# Altium PCB power-v3.3-exp.PcbDoc (part 2 of 2)
Units mil, origin at the board's own origin, x right, y up, seen from the top; angles counter-clockwise.
Board outline 6141.73 x 2071.1 mil, 4 copper layers (Top Layer, Layer 1, Layer 2, Bottom Layer), stack 60.469 mil thick; 174 components, 103 nets, 497 pads, 581 vias.
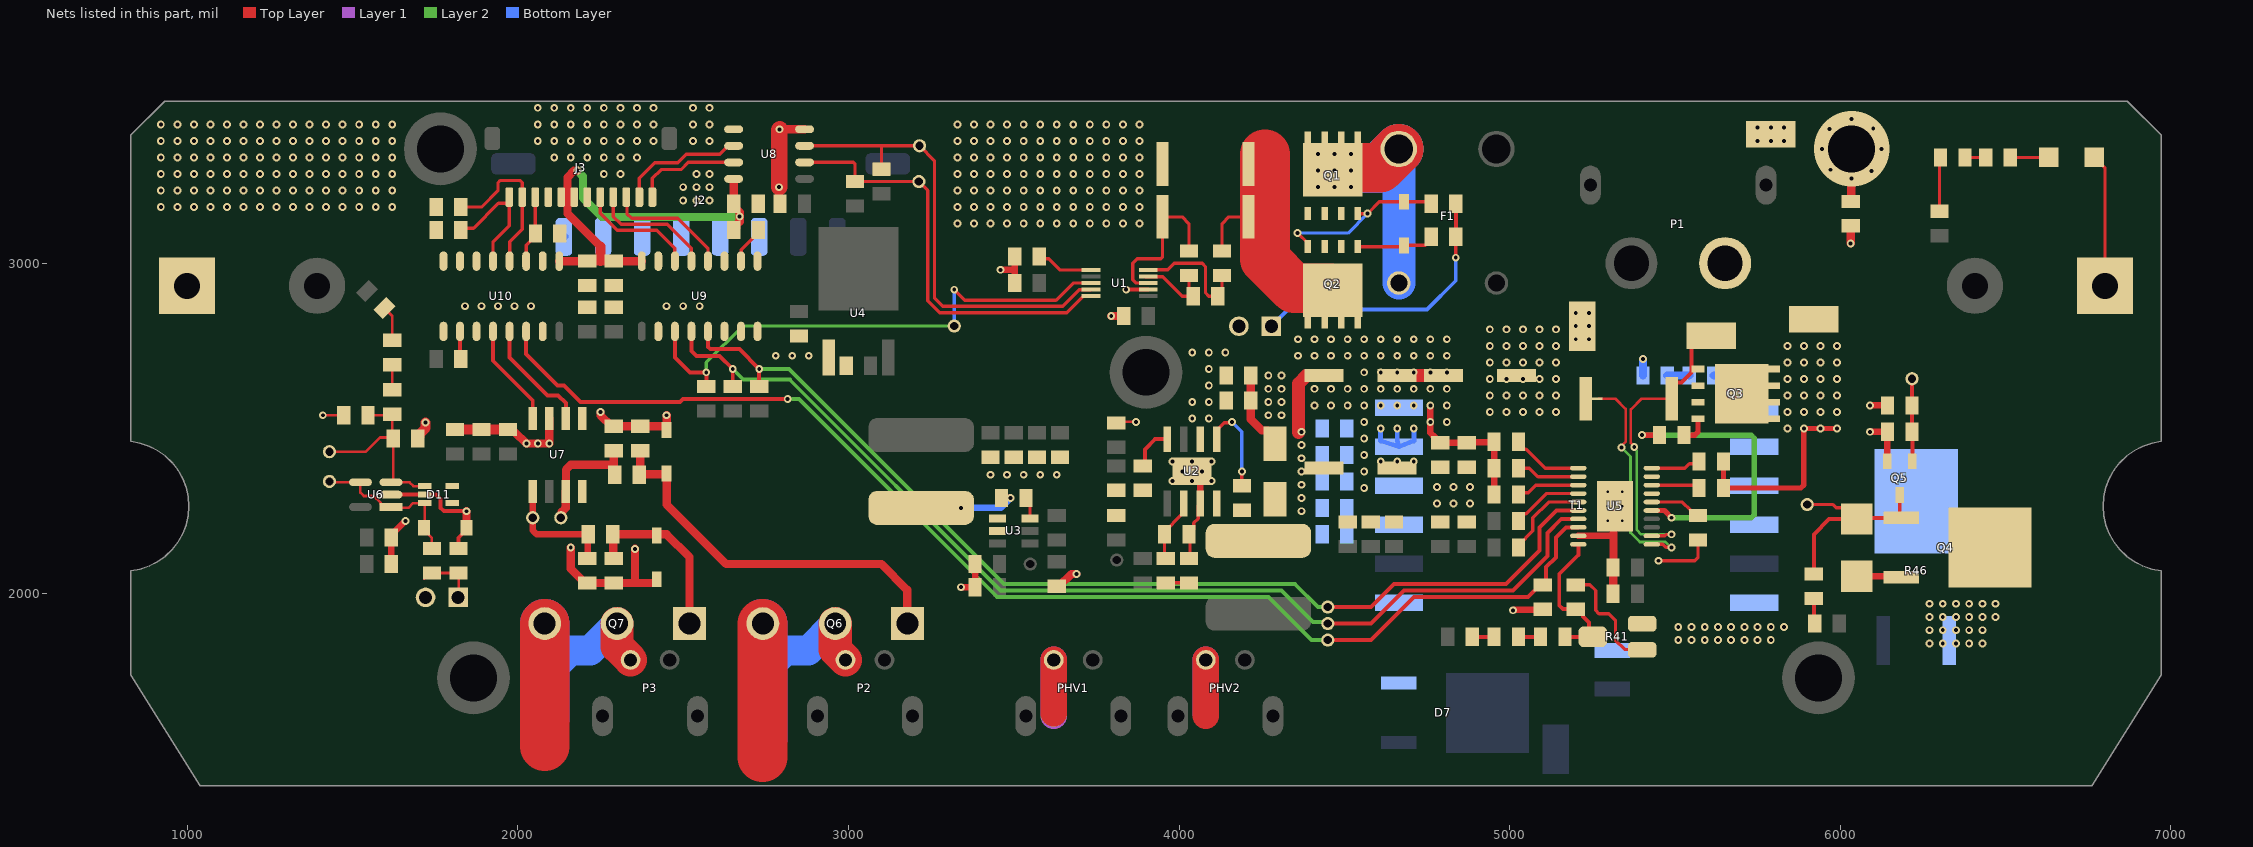
[diagram p4: the nets of this part, all layers, seen from the top]

## Via types
v1: diameter 23.62, hole 11.81, Top Layer to Bottom Layer, tented both sides, 561 vias
v2: diameter 23.62, hole 11.81, Top Layer to Bottom Layer, tented bottom, 8 vias
v3: diameter 19.68, hole 7.87, Top Layer to Bottom Layer, 6 vias
v4: diameter 228.35, hole 141.73, Top Layer to Bottom Layer, 5 vias
v5: diameter 23.62, hole 11.81, Top Layer to Bottom Layer, 1 vias

## Nets (pads, with @x,y where several pads share a name; then routed paths per layer and width w, separated by ;. In a path a pad name is that pad's centre, name@x,y a point inside that pad or via, vN(x,y) a via of type N, cw(c..) or ccw(c..) an arc to the next point about the centre after c; other vN are vias at no path point) (continued)
A1_SEL: R11.1 U1.1 | length 173.2
  Top Layer w10: R11.1@3577,3020 3583.14,3013.86 3606.14,3013.86 3640.63,2979.37 U1.1@3733.39,2979.37
CH_GND: pad.@6034.27,3345.85 R3.2 | length 70.5
  Top Layer w25: R3.2@6031.61,3187.04 6032.94,3188.37 6032.94,3255.56 6033.23,3255.85 v1(6034.27,3255.85)
  other v1: 6094.69,3279.24 5970.04,3282.72 5944.27,3345.85 6124.27,3345.85 5967.97,3406.53 6099.96,3407.17 6034.27,3435.85
  other v4: 6034.27,3345.85
CHARGE: CHRG.1 R37.2 U5.8 U10.14 | length 3821.6
  Top Layer w12: U10.14@2025,2793.7 2025,2725 2120,2630 2140,2630 2190,2580 2490,2580 2499.69,2589.69 v1(2816.09,2589.69) ; CHRG.1@4450,1860 4580,1860 4710,1990 5055.5,1990 5095.5,2030 5097,2030 R37.2@5100,2027 5110,2037 5110,2080.41 5140,2110.41 5140,2170 5170.53,2200.53 5207.22,2200.53 U5.8@5207.56,2200.87
  Layer 2 w12: v1(2816.09,2589.69) 2850.31,2589.69 3450,1990 4270,1990 4400,1860 CHRG.1@4450,1860
CHARGE_OB: J3.10 R64.1 U10.3 | length 197.9
  Top Layer w10: U10.3@2025,3006.3 2025,3055 R64.1@2040,3070 ; R64.1@2038,3078 2052.52,3092.52 J3.10@2052.52,3200
CHIP: U7.2 U10.13 | length 352.5
  Top Layer w12: U10.13@1975,2793.7 1975,2715 2090,2600 2121.72,2600 2145,2576.72 U7.2@2145,2530.24
CHIP_GATE: CHIP_G.1 R54.2 R55.1 U7.7 | length 376.7
  Top Layer w25: CHIP_G.1@2130,2230 2132.87,2232.87 2132.87,2247.87 2144.74,2259.74 2144.74,2309.51 2145.3,2310.06 2145.3,2375.36 2159.94,2390 2290,2390 ; R55.1@2290,2433 2290,2390 ; R54.2@2293,2360 2290,2363 2290,2390
CHIP_OB: J3.11 R63.1 U10.4 | length 489.5
  Top Layer w10: R63.1@1827,3170 1890,3170 1940,3220 1940,3244.14 1945.86,3250 2007.29,3250 2013.15,3244.14 J3.11@2013.15,3200 2013.15,3103.15 1975,3065 U10.4@1975,3006.3
DONE: _DONE.1 R35.1 U5.7 U9.4 | length 3308.1
  Top Layer w12: U9.4@2525,2793.7 2525,2735 2540,2720 2610,2720 v1(2650,2680) R35.1@2650,2627 ; _DONE.1@4450,1910 4580,1910 4680,2010 5010,2010 5114.14,2114.14 5114.14,2184.14 5156.12,2226.12 5207.22,2226.12 U5.7@5207.56,2226.46
  Layer 2 w12: v1(2650,2680) 2682.45,2647.55 2822.45,2647.55 3460,2010 4310,2010 4405.13,1914.87 4445.13,1914.87 _DONE.1@4450,1910
DONE_OB: J3.4 U9.13 | length 373.6
  Top Layer w10: J3.4@2288.74,3200 2288.74,3141.26 2312,3118 2452,3118 2525,3045 U9.13@2525,3006.3
FAULT: _FAULT.1 R36.1 U5.6 U9.5 | length 3221.4
  Top Layer w12: U9.5@2575,2793.7 2575,2747.03 2582.03,2740 2670,2740 v1(2730,2680) ; R36.1@2730,2627 v1(2730,2680) ; v1@2731.31,2678.69 v1(2730,2680) ; _FAULT.1@4450,1960 4580,1960 4650,2030 4988.74,2030 5090,2131.26 5090,2200 5141.71,2251.71 5207.22,2251.71 U5.6@5207.56,2252.05
  Layer 2 w12: v1(2730,2680) 2820,2680 3470,2030 4350,2030 4420.13,1959.87 _FAULT.1@4450,1959.87
FAULT_OB: J3.3 U9.12 | length 378
  Top Layer w10: J3.3@2328.11,3200 2330,3198.11 2330,3150 2344,3136 2484,3136 2575,3045 U9.12@2575,3006.3
FB: C37.1 R39.1 R41.2 U5.10 | length 465.5
  Top Layer w12: R39.1@5167,1870 R41.2@5250,1870 ; U5.10@5193.1,2148.86 5207.56,2148.86 5207.56,2117.56 5150,2060 5150,1965.18 5161.53,1953.65 C37.1@5196.35,1953.65 ; C37.1@5200,1953 5207.5,1953 5221.5,1939 5221.5,1931.5 5240,1913 5240,1880 R41.2@5250,1870 ; R41.2@5251.26,1870 R41.2@5250,1870
GND: C2.1 C4.1 C5.1 C6.2 C7.2 C8.2 C9.2 C10.2 C11.1 C13.2 C14.2 C15.2 C16.2 C17.2 C18.2 C19.2 C20.2 C21.1 C22.1 C23.1 C24.1 C25.1 C26.1 C27.1 C28.NEG C29.NEG C30.NEG C31.NEG C32.NEG C33.1 C34.1 C36.2 C37.2 C38.2 C39.2 C40.1 C41.2 C42.1 C43.1 C44.2 C45.2 C46.1 C47.1 C48.2 C49.2 C50.2 C54.2 D2.A D8.2 D9.A D10.2 D11.2 D13.A D15.A FB_CSN.1 J1.2 J2.6 J2.7 J2.8 NT1.2 P1.1 PHV1.1 PHV2.1 Q4.3 Q5.S Q6.3 Q7.3 R3.1 R11.2 R12.2 R16.2 R17.1 R19.1 R37.1 R41.3 R42.1 R43.1 R49.1 R53.2 R55.2 R57.2 T1.12 TP1.1 U1.7 U2.7 U2.9 U2.V1 U2.V2 U2.V3 U2.V4 U2.V5 U2.V6 U3.1 U4.1 U5.9 U5.21 U6.2 U7.3 U8.4 U9.2 U9.8 U10.9 U10.15 | length 7312
  Top Layer w8: v1(1410,2540) R53.2@1473,2540 ; R42.1@5230.16,2590 NT1.2@5240,2590
  Top Layer w10: C11.1@4033,2107 4033,2177 C5.1@4030,2180 4044.36,2194.36 4044.36,2214.36 4057.64,2227.64 4057.64,2266.62 U2.7@4064.06,2273.03 ; C37.2@5200.96,2027.96 C37.2@5200,2027 5243,2027 5260,2010 5260,1950 5270,1940 5300,1940 5320,1920 5320,1860 5348.42,1831.58 5399.91,1831.58 R41.3@5400.87,1830.63 ; v1(5450,2100) 5560,2100 5570,2110 R43.1@5570,2163 5577.5,2163 R43.1@5592.5,2148 ; D8.2@6768.9,3320 6801,3287.9 C28.NEG@6801,2931.67
  Top Layer w12: U6.2@1616.27,2300 D11.2@1718.66,2300 1752.97,2300 1766.67,2286.3 1766.67,2259.75 1776.42,2250 v1@1844.37,2250 ; C54.2@1820,2137 1820,2169.53 1844.37,2193.9 D10.2@1844.37,2200 ; v1(3840,2920) 3840.32,2920.32 U1.7@3906.61,2920.32
  Top Layer w15: v1(5750,3370) 5770,3370 TP1.1@5790,3390 ; v1(5750,3410) 5770,3390 TP1.1@5790,3390 ; v1(5790,3370) TP1.1@5790,3390 ; v1(5790,3410) TP1.1@5790,3390 ; v1(5830,3370) 5810,3390 TP1.1@5790,3390 ; v1(5830,3410) 5810,3410 TP1.1@5790,3390
  Top Layer w20: C40.1@1617,2090 C41.2@1617,2170 1617,2177.5 1659.5,2220 v1(1660,2220) ; v1(3340,2020) C14.2@3383,2020 C13.2@3383,2090 ; v1(3460,2980) 3503,2980 ; R12.2@3503,2940 3503,2980 ; R11.2@3503,3020 3503,2980 ; U2.9@4039.06,2370.47 4064.06,2345.47 U2.7@4064.06,2273.03 ; v1(5010,1950) 5010.98,1950 5013.35,1952.37 5099.37,1952.37 R37.1@5100,1953 ; U5.9@5207.56,2175.28 5308.28,2175.28 5313,2180 ; U5.21@5274.84,2199.25 v3(5297.13,2221.54) ; D9.A@6050,2053.39 6181.61,2053.39 Q4.3@6185,2050 ; v1(6090,2490) R49.1@6143,2490 6142.71,2489.71 6142.71,2401.29 Q5.S@6142.6,2401.18 ; Q5.S@6139.8,2401.38 Q5.S@6140,2401.58
  Top Layer w25: D10.2@1844.37,2200 1844.45,2200.08 v1(1844.45,2249.72) ; C43.1@1970,2497 1977.5,2489.5 1990.5,2489.5 v1(2025.69,2454.31) v1(2060.39,2454.31) v1(2095.08,2454.31) 2095,2454.39 U7.3@2095,2530.24 ; v1(2160,2140) 2160,2075.5 2202.5,2033 R57.2@2210,2033 C47.1@2290,2033 2290.5,2032.5 2354,2032.5 ; v1(2250,2550) 2250,2539.5 2282.5,2507 R55.2@2290,2507 C46.1@2370,2507 2447.5,2507 D13.A@2450,2504.5 ; v1(2354,2136) 2354,2032.5 ; D15.A@2420,2044 2420,2035 2417.5,2032.5 2354,2032.5 ; D13.A@2450,2496 D13.A@2450,2504.5 ; v1(2450,2540) D13.A@2450,2504.5 ; v1(2790,3230) 2790,3183 C48.2@2793,3180 ; v1(2791.52,3405) U8.4@2867.28,3405 ; U4.1@2940,2715 U4.1@2946.79,2708.21 ; R19.1@3630,2023 3637.5,2023 3674.5,2060 v1(3690,2060) ; v1(3794.94,2840) C2.1@3833,2840 ; C4.1@3890,2313 C4.1@3892,2315 ; C6.2@4217,2660 C7.2@4217,2585.12 4217,2527.65 4250.33,2494.31 4268.05,2494.31 4290,2472.36 D2.A@4290,2454.65 D2.A@4307.65,2437 ; C38.2@5313,2000 C39.2@5313,2080 5313.83,2080.83 5313.83,2184.72 ; v1(6031.61,3060.04) R3.1@6031.61,3113.04
  Top Layer w30: C42.1@1697,2470 1702,2475 1702,2482.5 1720.4,2500.9 v1(1720.4,2518.1) ; C44.2@1810,2497 C45.2@1890,2497 C43.1@1970,2497
  Top Layer w35: C30.NEG@4384.78,2659.59 C30.NEG@4438.54,2659.59
  Top Layer w40: v1@4361.35,2488.66 4361.35,2636.15 C30.NEG@4384.78,2659.59
  Top Layer w50: v1(2790,3230) 2790,3403.48 v1(2791.52,3405)
  Top Layer w80: 3620.94,1639.06 PHV1.1@3620.94,1800.08 ; 4080.94,1630.94 PHV2.1@4080.94,1800.08
  Top Layer w150: 2081.1,1538.9 Q7.3@2081.1,1910 ; 2740,1505.71 Q6.3@2740,1910
  Layer 1 w80: 3620.94,1630.94 PHV1.1@3620.94,1800.08 ; 4080.94,1639.06 PHV2.1@4080.94,1800.08
  Layer 1 w150: 2081.1,1621.1 Q7.3@2081.1,1910 ; 2741.1,1560 Q6.3@2741.1,1910
  Bottom Layer w25: J2.8@2139.45,3080 J2.8@2140,3080.55
  other v1: 5510,1860 5550,1860 5590,1860 5630,1860 5670,1860 5710,1860 5750,1860 5790,1860 5510,1900 5550,1900 5590,1900 5630,1900 5670,1900 5710,1900 5750,1900 5790,1900 5830,1900 4370,2250 4779.83,2272.75 4829.83,2272.75 4879.83,2272.75 4370,2290 4779.83,2322.75 4829.83,2322.75 4879.83,2322.75 4370,2330 3430,2360 3480,2360 3530,2360 3580,2360 3630,2360 4370,2370 4370,2410 4370,2450 4370,2490 4270,2540 4310,2540 4940,2550 4990,2550 5040,2550 5090,2550 5140,2550 4270,2580 4310,2580 4940,2600 4990,2600 5040,2600 5090,2600 5140,2600 4270,2620 4310,2620 4940,2650 4990,2650 5040,2650 5090,2650 5140,2650 4270,2660 4310,2660 4940,2700 4990,2700 5040,2700 5090,2700 5140,2700 2780,2720 2830,2720 2880,2720 4940,2750 4990,2750 5040,2750 5090,2750 5140,2750 5200,2770 5240,2770 4940,2800 4990,2800 5040,2800 5090,2800 5140,2800 5200,2810 5240,2810 5200,2850 5240,2850 1840,2870 1890,2870 1940,2870 1990,2870 2040,2870 2450,2870 2500,2870 2550,2870 920,3170 970,3170 1020,3170 1070,3170 1120,3170 1170,3170 1220,3170 1270,3170 1320,3170 1370,3170 1420,3170 1470,3170 1520,3170 1570,3170 1620,3170 920,3220 970,3220 1020,3220 1070,3220 1120,3220 1170,3220 1220,3220 1270,3220 1320,3220 1370,3220 1420,3220 1470,3220 1520,3220 1570,3220 1620,3220 920,3270 970,3270 1020,3270 1070,3270 1120,3270 1170,3270 1220,3270 1270,3270 1320,3270 1370,3270 1420,3270 1470,3270 1520,3270 1570,3270 1620,3270 2260,3270 2310,3270 920,3320 970,3320 1020,3320 1070,3320 1120,3320 1170,3320 1220,3320 1270,3320 1320,3320 1370,3320 1420,3320 1470,3320 1520,3320 1570,3320 1620,3320 2110,3320 2160,3320 2210,3320 2260,3320 2310,3320 920,3370 970,3370 1020,3370 1070,3370 1120,3370 1170,3370 1220,3370 1270,3370 1320,3370 1370,3370 1420,3370 1470,3370 1520,3370 1570,3370 1620,3370 2060,3370 2110,3370 2160,3370 2210,3370 2260,3370 2310,3370 920,3420 970,3420 1020,3420 1070,3420 1120,3420 1170,3420 1220,3420 1270,3420 1320,3420 1370,3420 1420,3420 1470,3420 1520,3420 1570,3420 1620,3420 2060,3420 2110,3420 2160,3420 2210,3420 2260,3420 2310,3420 2060,3470 2110,3470 2160,3470 2210,3470 2260,3470 2310,3470 2360,3470 2410,3470
  other v2: 3980,2340.94 4039.06,2340.94 4098.11,2340.94 4010,2370 4070,2370 3980,2400 4039.06,2400 4098.11,2400
  other v3: 5340.43,2221.54 5297.13,2264.84 5340.43,2264.84 5297.13,2308.15 5340.43,2308.15
GND_CN: C51.2 C52.2 C53.2 J3.6 J3.9 R62.2 R63.2 R64.2 U8.5 U9.9 U9.15 U10.2 U10.8
  other v1: 2360,3320 2360,3370 2410,3370 2360,3420 2410,3420
HV-SENSE: D10.1 D11.3 HVM_OUT.1 R60.2 U6.1 U6.4 | length 507.3
  Top Layer w8: HVM_OUT.1@1430,2340 1432.6,2337.4 U6.4@1523.73,2337.4 1523.73,2306.27 1534.05,2295.95 1563.81,2295.95 1585.71,2274.06 1585.71,2270.6 1593.72,2262.6 U6.1@1616.27,2262.6 1618.87,2260 1669.07,2260 1683.48,2274.41 D11.3@1718.66,2274.41 1718.66,2190.87 1729.54,2179.98 1740,2169.53 R60.2@1740,2137 R60.2@1740,2124
HV_GATE: R61.2 U5.15 | length 951.2
  Top Layer w16: v1(5400,2480) R61.2@5453,2480 ; U5.15@5430,2252.05 5467.95,2252.05 v1(5490,2230)
  Layer 2 w16: v1(5400,2480) 5730.63,2480 5740,2470.63 5740,2239.37 5730.63,2230 v1(5490,2230)
HV_SENSE_OB: C54.1 J4.1 R60.1 | length 162.6
  Top Layer w8: R60.1@1716.5,2046.5 1716.5,2047 R60.1@1722.5,2053 ; R60.1@1740,2063 C54.1@1820,2063 ; J4.1@1819.21,1969.33 1820.79,1970.91 1820.79,2042.33
KICK: U7.4 U10.12 | length 313.2
  Top Layer w12: U10.12@1925,2793.7 1925,2705 2045,2585 U7.4@2045,2530.24
KICK_GATE: KICK_G.1 R56.2 R57.1 U7.5 | length 365.1
  Top Layer w20: U7.5@2045,2309.76 2045,2191.72 2056.72,2180 R56.2@2213,2180 2211.5,2178.5 2211.5,2108.5 R57.1@2210,2107
KICK_OB: J3.12 R62.1 U10.5 | length 397.2
  Top Layer w10: R62.1@1827,3100 1832.86,3105.86 1865.86,3105.86 1941.38,3181.38 1967.04,3181.38 J3.12@1973.78,3188.12 ; U10.5@1925,3006.3 1925,3065 1973.78,3113.78 J3.12@1973.78,3188.12 ; J3.12@1973.78,3200 J3.12@1973.78,3188.12
LT_CSN: NT1.1 U5.11 | length 691.3
  Top Layer w8: NT1.1@5270,2590 5320,2590 5350.68,2559.32 5350.68,2459.55 5338.27,2447.14 v1(5338.27,2442.92)
  Top Layer w10: U5.11@5430,2149.68 5463.57,2149.68 5472.67,2140.59 5489.41,2140.59 v1(5490,2140)
  Layer 2 w8: v1(5338.27,2442.92) 5365.72,2415.46 5365.72,2184.76 5393.91,2156.57 5470.93,2156.57 5487.5,2140 v1(5490,2140)
LT_CSP: FB_CSP.1 Q3.S R42.2 U5.12 | length 946.2
  Top Layer w8: v1(5376.99,2443.61) 5376.99,2445.8 5366.68,2456.11 5366.68,2557.66 5399.03,2590 R42.2@5490,2590
  Top Layer w10: U5.12@5430,2175.28 5468.88,2175.28 5472.84,2179.24 5489.24,2179.24 v1(5490,2180)
  Top Layer w12: R42.2@5490,2590 5490,2626.97 5502.7,2639.67 5519.67,2639.67 5550,2670 5550,2746.04 5583.96,2780 FB_CSP.1@5610,2780
  Layer 2 w8: v1(5376.99,2443.61) 5376.99,2439.38 5384.48,2431.9 5384.48,2193.47 5397.95,2180 v1(5490,2180)
NetAD_D_1: AD_D.1 D9.C Q4.1 Q5.D R47.1 | length 673.9
  Top Layer w10: AD_D.1@5890,2270 AD_D.1@5900,2270 5978.12,2270 5988.12,2260 6016.61,2260 D9.C@6050,2226.61 D9.C@6053.39,2230 ; Q5.D@6174.57,2293.39 Q5.D@6180,2298.82 ; Q4.1@6180,2235 Q4.1@6185,2230
  Top Layer w12: R47.1@5920,2048.33 R47.1@5920,2060 5920,2180 5966.61,2226.61 D9.C@6050,2226.61 ; D9.C@6053.39,2230 Q4.1@6185,2230 ; Q4.1@6180,2235 Q5.D@6180,2298.82
NetAD_VCC_1: AD_VCC.1 Q5.G R48.1 R49.2 | length 253
  Top Layer w10: AD_VCC.1@6210,2650 AD_VCC.1@6217.71,2642.29 ; Q5.G@6217.4,2401.18 Q5.G@6217.99,2401.77 ; R49.2@6217.71,2490.71 R49.2@6217,2490 R49.2@6217.99,2489.01
  Top Layer w12: R49.2@6217.71,2490.71 6217.71,2570 AD_VCC.1@6217.71,2642.29 ; Q5.G@6217.99,2401.77 R49.2@6217.99,2489.01
NetC1_1: C1.1 R10.1 U1.10 | length 385.6
  Top Layer w10: U1.10@3896.32,2980 3965.86,2980 3985.86,3000 4070,3000 4080,2990 4080,2910 4090,2900 C1.1@4117,2900 4130,2913 R10.1@4130,2963
NetC1_2: C1.2 R6.1 U1.9 | length 240.2
  Top Layer w10: U1.9@3896.07,2960 3897.17,2958.91 3951.09,2958.91 4010,2900 C1.2@4043,2900 4030,2913 R6.1@4030,2963
NetC3_1: C3.1 U2.1 | length 288.7
  Top Layer w10: U2.1@4114.06,2467.91 4114.06,2494.88 4136.57,2517.39 4157.39,2517.39 v1(4160,2520) ; C3.1@4190,2327 v1(4190,2370)
  Bottom Layer w10: v1(4160,2520) 4190,2490 v1(4190,2370)
NetC3_2: C3.2 D2.C L1.1 U2.8
NetC4_2: C4.2 U2.4 | length 132.8
  Top Layer w12: C4.2@3890,2387 3897,2394 3897,2437 3927.91,2467.91 U2.4@3964.06,2467.91
NetC5_2: C5.2 R15.1 U2.6 | length 191.7
  Top Layer w10: R15.1@3960,2107 3956,2111 3956,2187.5 4007.24,2238.74 4007.24,2266.22 U2.6@4014.06,2273.03
NetC11_2: C11.2 R15.2 | length 80
  Top Layer w10: R15.2@3950,2033 C11.2@4030,2033
NetC12_1: C12.1 U3.6 | length 67.7
  Top Layer w10: C12.1@3537,2290 3549.41,2277.59 U3.6@3549.41,2227.4
NetC12_2: C12.2 L2.1 U3.2 | length 189.4
  Top Layer w20: C12.2@3463,2290 v1(3490,2290)
  Bottom Layer w20: v1(3340,2260) 3460,2260 v1(3490,2290)
NetC35_1: C35.1 R34.1 | length 66
  Bottom Layer w25: C35.1@5477,2660 R34.1@5543,2660
NetC42_2: C42.2 D11.1 HVM_RAW.1 R52.1 R53.1 U6.3 | length 596.2
  Top Layer w8: HVM_RAW.1@1430,2430 1540,2430 1583,2473 C42.2@1620,2473 ; R53.1@1547,2540 1617,2540 R52.1@1620,2543 C42.2@1620,2473 ; U6.3@1616.27,2337.4 1672.6,2337.4 1684.41,2325.59 D11.1@1718.66,2325.59 ; U6.3@1623,2337.4 C42.2@1623,2470 C42.2@1620,2473
NetC46_2: C46.2 D13.C Q6.1 R54.1 | length 1166.3
  Top Layer w25: R54.1@2367,2360 R54.1@2370,2363 ; C46.2@2370,2433 R54.1@2370,2363 ; Q6.1@3177.8,1930 3177.8,2012.2 3100,2090 2630,2090 2450,2270 D13.C@2450,2364 2448,2362 2371,2362 R54.1@2370,2363
NetC47_2: C47.2 D15.C Q7.1 R56.1 | length 518.3
  Top Layer w25: C47.2@2290,2107 2288.5,2108.5 2288.5,2178.5 R56.1@2287,2180 2417.5,2180 2420,2177.5 D15.C@2420,2176 ; D15.C@2420,2180 2450,2180 2518.9,2111.1 Q7.1@2518.9,1930
NetD1_A: D1.A Q1.G Q2.G R1.1 | length 530.5
  Top Layer w10: v1(4358.52,3091.32) 4390,3059.84 Q2.G@4390,3050 ; Q1.G@4540,3150 4570,3150 4606,3186 D1.A@4680,3186 4757,3186 R1.1@4763,3180
  Bottom Layer w10: v1(4358.52,3091.32) 4511.23,3091.32 v1(4569.91,3150)
NetD1_C: D1.C Q1.S Q2.S R2.1 | length 239.8
  Top Layer w10: Q2.S@4540,3050 4676,3050 D1.C@4680,3054 4744.5,3054 4763,3072.5 R2.1@4763,3080
NetD3_1: 
NetD4_1: 
NetD5_1: 
NetD6_1: 
NetD7_IN: D7.3 T1.1
NetD8_1: D8.1 R32.1 | length 117.1
  Top Layer w10: R32.1@6514,3320 D8.1@6631.1,3320
NetD11_4: D11.4
NetD11_5: D11.5
NetD12_A: D12.A P2.2 Q6.2 | length 694.7
  Top Layer w100: Q6.2@2960,1910 2960,1831.02 P2.2@2990.94,1800.08
  Layer 1 w60: Q6.2@2958.9,1930 2958.9,1832.13 P2.2@2990.94,1800.08
  Layer 2 w60: Q6.2@2958.9,1930 2958.9,1832.13 P2.2@2990.94,1800.08
  Bottom Layer w90: D12.A@2740,1756.61 2742.24,1758.86 2742.24,1762.35 2808.56,1828.67 2878.67,1828.67 Q6.2@2960,1910
NetD14_A: D14.A P3.2 Q7.2 | length 695.2
  Top Layer w100: Q7.2@2300,1910 2300,1841.02 P3.2@2340.94,1800.08
  Layer 1 w60: Q7.2@2300,1930 2300,1841.02 P3.2@2340.94,1800.08
  Layer 2 w60: Q7.2@2300,1930 2300,1840 2339.92,1800.08 P3.2@2340.94,1800.08
  Bottom Layer w90: D14.A@2091.12,1757.74 2092.24,1758.86 2092.24,1762.35 2158.56,1828.67 2218.67,1828.67 Q7.2@2300,1910
NetF1_1: F1.1 F1.2 Q1.D | length 869.2
  Top Layer w150: Q1.D@4465,3282.28 4471.1,3288.39 4607.6,3288.39 F1.1@4664.72,3345.51
  Bottom Layer w100: F1.2@4664.72,2940 4664.72,3290 F1.1@4664.72,3345.51
  Bottom Layer w150: 4451.04,3287.45 4606.66,3287.45 F1.1@4664.72,3345.51
  other v1: 4420,3230 4470,3230 4520,3230 4420,3280 4470,3280 4520,3280 4420,3330 4470,3330 4520,3330
NetFB_D_1: FB_D.1 Q3.D R34.2 R38.1 R40.1 T1.7 T1.8 T1.9 T1.10 | length 808.7
  Top Layer w16: R38.1@5647,2400 R40.1@5647,2320 5880.63,2320 5890,2329.37 v1(5890,2500) v1(5990,2500)
  Bottom Layer w25: R34.2@5617,2660 5725.36,2660 5740,2645.36 5740,2563.35 T1.7@5739.92,2563.28
  other v1: 5840,2500 5940,2500 5840,2550 5890,2550 5940,2550 5990,2550 5840,2600 5890,2600 5940,2600 5990,2600 5840,2650 5890,2650 5940,2650 5990,2650 5840,2700 5890,2700 5940,2700 5990,2700 5840,2750 5890,2750 5940,2750 5990,2750
NetJ1_1: J1.1 R1.2 R2.2 | length 848.2
  Top Layer w12: v5(4836.99,3016.71) R2.2@4837,3080 R1.2@4837,3180
  Layer 2 w12: v5@4836.7,3017 v5(4836.99,3016.71)
  Bottom Layer w12: J1.1@4279.21,2809.33 4329.88,2860 4750,2860 4836.99,2946.99 v5(4836.99,3016.71)
NetJ4_2: J4.2
NetQ3_G: Q3.G R61.1 | length 87.1
  Top Layer w16: R61.1@5527,2480 5560,2480 5570,2490 Q3.G@5570,2530
NetQ4_D: Q4.2 R46.1
  other v1: 6270,1850 6310,1850 6350,1850 6390,1850 6430,1850 6270,1890 6310,1890 6350,1890 6390,1890 6430,1890 6270,1930 6310,1930 6350,1930 6390,1930 6430,1930 6470,1930 6270,1970 6310,1970 6350,1970 6390,1970 6430,1970 6470,1970
NetR28_1: R28.1 R30.2 | length 164.2
  Top Layer w10: R28.1@6300,3157 6300,3317 R30.2@6303,3320
NetR29_1: R29.1 R31.2 | length 66
  Top Layer w12: R29.1@4887,1870 R31.2@4953,1870
NetR30_1: R30.1 R32.2 | length 63
  Top Layer w10: R30.1@6377,3320 R32.2@6440,3320
NetR31_1: R31.1 R39.2 | length 66
  Top Layer w12: R31.1@5017,1870 R39.2@5083,1870
NetR41_1: R41.1
NetR45_1: R45.1 R47.2 | length 90.1
  Top Layer w10: R47.2@5910,1976 R47.2@5920,1986
  Top Layer w12: R45.1@5920,1910 R47.2@5920,1986
NetR46_3: R46.3
NetR50_1: R50.1 R51.2 | length 106.7
  Top Layer w8: R50.1@1596.16,2863.84 1620,2840 R51.2@1620,2767
NetR51_1: R51.1 R52.2 | length 76
  Top Layer w8: R52.2@1620,2617 R51.1@1620,2693
NetR58_2: R58.2 U9.10 | length 115.2
  Top Layer w10: U9.10@2675,3006.3 2675.72,3007.02 2675.72,3041.22 2712,3077.5 2727,3092.5 R58.2@2727,3100
NetR59_1: R59.1 U10.10 | length 84.5
  Top Layer w12: U10.10@1825,2793.7 1825,2712 R59.1@1827,2710
NetR64_2: 
NetU5_17: U5.17
NetU5_19: U5.19
NetU7_1: U7.1
NetU7_8: U7.8
NetU9_6: U9.6
NetU9_7: U9.7
NetU9_11: U9.11
NetU10_6: U10.6
NetU10_7: U10.7
NetU10_11: U10.11
OVLO1: R27.1 U5.3 | length 192.5
  Top Layer w10: R27.1@5027,2300 5033.14,2306.14 5056.14,2306.14 5078.82,2328.82 U5.3@5207.56,2328.82
OVLO2: R25.1 U5.5 | length 265.1
  Top Layer w10: R25.1@5027,2140 5027,2147.5 5070,2190.5 5070,2230 5117.64,2277.64 U5.5@5207.56,2277.64
PMS_ALERT: PMS_ALRT.1 R7.2 U1.3 U9.3 | length 1619.1
  Top Layer w10: v1(3320,2920) 3352,2888 3628,2888 3680,2940 U1.3@3733.39,2940
  Top Layer w12: U9.3@2475,2793.7 2475,2715 2520.09,2669.91 v1(2569.91,2669.91) 2569.91,2627.09 R7.2@2570,2627
  Layer 2 w10: v1(2569.91,2669.91) 2569.91,2699.91 2680,2810 PMS_ALRT.1@3320,2810
  Bottom Layer w10: PMS_ALRT.1@3320,2810 v1(3320,2920)
PMS_ALERT_OB: J3.5 U9.14 | length 357.5
  Top Layer w10: J3.5@2249.37,3200 2249.37,3150.63 2300,3100 2420,3100 2475,3045 U9.14@2475,3006.3
PMS_SCL: PMS_SCL.1 R4.2 U1.5 U8.2 | length 1301.8
  Top Layer w10: U8.2@2867.28,3305 3014.14,3305 3020,3299.14 R4.2@3020,3247 3185.38,3247 PMS_SCL.1@3213,3247 3240,3220 3240,2885.86 3275.86,2850 3660,2850 3709.72,2899.72 3732.48,2899.72 U1.5@3733.39,2900.63
PMS_SCL_OB: J3.1 U8.7 | length 322.7
  Top Layer w10: J3.1@2406.85,3200 2406.85,3256.85 2433.43,3283.43 2493.43,3283.43 2515,3305 U8.7@2652.72,3305
PMS_SDA: PMS_SDA.1 R5.2 U1.4 U8.3 | length 1403.6
  Top Layer w10: U8.3@2867.28,3355 3095,3355 ; R5.2@3100,3284 3100,3350 3095,3355 ; U1.4@3733.39,2920.32 3733.02,2919.95 3698.09,2919.95 3648.15,2870 3285.64,2870 3260,2895.64 3260,3310 PMS_SDA.1@3215,3355 3185.38,3355 3100,3355 3095,3355
PMS_SDA_OB: J3.2 U8.6 | length 383.1
  Top Layer w10: J3.2@2367.48,3200 2367.48,3257.48 2413.74,3303.74 2483.74,3303.74 2509.37,3329.37 2610.35,3329.37 2635.98,3355 U8.6@2652.72,3355
RBG: R43.2 U5.16 | length 160.1
  Top Layer w10: U5.16@5430,2277.64 5522.36,2277.64 5547.5,2252.5 5547.5,2252 5562.5,2237 R43.2@5573,2237
RDCM: R38.2 U5.20 | length 151.3
  Top Layer w10: U5.20@5430,2380 5530,2380 5543.86,2393.86 5566.86,2393.86 R38.2@5573,2400
RVOUT: R40.2 U5.18 | length 146.7
  Top Layer w10: U5.18@5430,2328.82 5564.18,2328.82 R40.2@5573,2320
RVTRANS: R33.2 U5.1 | length 218.1
  Top Layer w10: R33.2@5027,2460 5027,2452.5 5042,2437.5 5049.5,2437.5 5107,2380 U5.1@5207.56,2380
UVLO1: R26.1 U5.2 | length 191.2
  Top Layer w10: R26.1@5027,2380 5060,2380 5085.59,2354.41 U5.2@5207.56,2354.41
UVLO2: R24.1 U5.4 | length 219.4
  Top Layer w10: R24.1@5027,2220 5027,2227.5 5042,2242.5 5049.5,2242.5 5110.23,2303.23 U5.4@5207.56,2303.23
VCC: C6.1 C7.1 C23.2 C24.2 C25.2 C26.2 C27.2 C30.POS C31.POS C32.POS C33.2 C34.2 C35.2 J2.3 J2.4 J2.5 R6.2 R8.1 R9.1 R13.1 R26.2 R27.2 R33.1 R48.2 T1.3 T1.4 T1.5 T1.6 U1.8 U2.2 | length 1535.9
  Top Layer w8: R13.1@3810,2517 3813,2520 v1(3870,2520)
  Top Layer w10: U1.8@3906.61,2940 3870,2940 3860,2950 3860,3000 3873.26,3013.26 3944.22,3013.26 3950.08,3019.12 R8.1@3950.08,3140 4010,3140 4030,3120 R6.2@4030,3037
  Top Layer w15: C31.POS@4656.06,2379.81 C31.POS@4659.53,2379.9 C31.POS@4706.06,2379.81
  Top Layer w20: v1(4760,2570) v1(4760,2520) 4760,2487 4772.5,2474.5 4772.5,2467 4782.5,2457 C33.2@4790,2457 C34.2@4870,2457 4871.5,2458.5 4951.5,2458.5 R33.1@4953,2460 R26.2@4953,2380 R27.2@4953,2300 ; v1(6090,2570) R48.2@6143,2570
  Top Layer w40: C30.POS@4659.63,2660 4760,2660 C32.POS@4800.37,2660
  Bottom Layer w15: v1(4610,2500) 4610,2462.67 T1.5@4664.88,2445.17 ; v1(4660,2500) 4660,2462.67 T1.5@4664.88,2445.17 ; v1(4710,2500) 4710,2462.67 T1.5@4664.88,2445.17
  Bottom Layer w25: C35.2@5403,2660 v1(5403,2709.8)
  other v1: 4560,2320 4560,2370 4610,2400 4660,2400 4710,2400 4560,2420 4560,2470 4560,2520 4810,2520 4040,2530 4090,2530 4410,2570 4460,2570 4510,2570 4560,2570 4610,2570 4660,2570 4710,2570 4810,2570 4040,2580 4090,2580 4410,2620 4460,2620 4510,2620 4560,2620 4610,2620 4660,2620 4710,2620 4760,2620 4810,2620 4090,2630 4560,2670 4610,2670 4660,2670 4710,2670 4760,2670 4810,2670 4090,2680 4360,2720 4410,2720 4460,2720 4510,2720 4560,2720 4610,2720 4660,2720 4710,2720 4760,2720 4810,2720 4040,2730 4090,2730 4140,2730 4360,2770 4410,2770 4460,2770 4510,2770 4560,2770 4610,2770 4660,2770 4710,2770 4760,2770 4810,2770 3330,3120 3380,3120 3430,3120 3480,3120 3530,3120 3580,3120 3630,3120 3680,3120 3730,3120 3780,3120 3830,3120 3880,3120 3330,3170 3380,3170 3430,3170 3480,3170 3530,3170 3580,3170 3630,3170 3680,3170 3730,3170 3780,3170 3830,3170 3880,3170 2500,3190 2540,3190 2580,3190 3330,3220 3380,3220 3430,3220 3480,3220 3530,3220 3580,3220 3630,3220 3680,3220 3730,3220 3780,3220 3830,3220 3880,3220 2500,3230 2540,3230 2580,3230 2540,3270 2580,3270 3330,3270 3380,3270 3430,3270 3480,3270 3530,3270 3580,3270 3630,3270 3680,3270 3730,3270 3780,3270 3830,3270 3880,3270 3330,3320 3380,3320 3430,3320 3480,3320 3530,3320 3580,3320 3630,3320 3680,3320 3730,3320 3780,3320 3830,3320 3880,3320 2530,3370 2580,3370 3330,3370 3380,3370 3430,3370 3480,3370 3530,3370 3580,3370 3630,3370 3680,3370 3730,3370 3780,3370 3830,3370 3880,3370 2530,3420 2580,3420 3330,3420 3380,3420 3430,3420 3480,3420 3530,3420 3580,3420 3630,3420 3680,3420 3730,3420 3780,3420 3830,3420 3880,3420 2530,3470 2580,3470
VCC_CN: C51.1 C52.1 C53.1 J3.7 J3.8 R58.1 U8.8 U9.16 U10.1 | length 1351.8
  Top Layer w25: U10.1@2125,3006.3 2210,3006.3 2250,3006.3 2290,3006.3 U9.16@2375,3006.3 ; v1(2180,3280) 2170,3280 2150,3260 2150,3150 2250,3050 ; U8.8@2652.72,3255 2652.86,3254.86 2652.86,3180.14 C53.1@2653,3180 2653,3172.5 2670.96,3154.54 2670.96,3125.46 2653,3107.5 R58.1@2653,3100 R58.1@2660.5,3107.5
  Top Layer w30: 2250,3006.3 2250,3050
  Layer 2 w25: v1(2180,3280) 2197.32,3262.68 2197.32,3197.32 2254.64,3140 2669.62,3140 v1(2670.96,3141.33)
VCC_RPP: Q2.D R8.2 R9.2 R10.2 | length 724.8
  Top Layer w10: R10.2@4130,3037 4130,3120 4150,3140 R8.2@4209.92,3140
  Top Layer w150: 4260,3330 4260,3011.69 4347.87,2923.82 Q2.D@4458.9,2923.82
pads on no net: D7.1 J2.NC J3.NC P1.Un1 P1.Un2 P2.NC P3.NC PHV1.NC PHV2.NC T1.2 T1.11
copper on no net:
  other v1: 1865.73,1655.85 5934.27,1655.85 1926.14,1679.24 5994.69,1679.24 1801.5,1682.72 5870.04,1682.72 1775.73,1745.85 1955.73,1745.85 5844.27,1745.85 6024.27,1745.85 1799.43,1806.53 1931.42,1807.17 5867.97,1806.53 5999.96,1807.17 1865.73,1835.85 5934.27,1835.85 3900,2580 3960.42,2603.39 3835.77,2606.87 3810,2670 3990,2670 3833.7,2730.67 3965.69,2731.32 3900,2760 1765.73,3255.85 1826.14,3279.24 1701.5,3282.72 1675.73,3345.85 1855.73,3345.85 1699.43,3406.53 1831.42,3407.17 1765.73,3435.85
  other v4: 1865.73,1745.85 5934.27,1745.85 3900,2670 1765.73,3345.85

## Polygon pours and split planes (outlines as drawn)
GND_CN on Top Layer "NONET_L01_P-001" (solid, remove dead copper, pour order 120): 1730,3460 2750,3460 2750,2900 1730,2900
GND on Top Layer "NONET_L01_P-001" (solid, remove dead copper, pour order 127): 3780,2580 4190,2580 4190,2690 4240,2690 4420,2690 4420,2540 4500,2540 4500,2350 4560,2290 4670,2290 4680,2280 4680,2200 3810,2200 3780,2230
GND on Top Layer "NONET_L01_P-001" (solid, pour order 162): 5060,2570 5060,2050 5140,1970 5360,1970 5370,1980 5370,2550 5190,2550 5190,2570
NetFB_D_1 on Top Layer "NONET_L01_P-001" (solid, remove dead copper, pour order 138): 5800,2470 6010,2470 6010,2890 5800,2890 5620,2890 5620,2510 5800,2510
GND on Top Layer "NONET_L01_P-001" (solid, pour order 163): 5480,1920 5480,1440 5870,1440 5870,1920
GND on Top Layer "NONET_L01_P-001" (solid, remove dead copper, pour order 134): 5250,2520 5250,2660 5530,2660 5530,2830 5770,2830 5870,2930 5870,3430 4900,3430 4900,2520
NetQ4_D on Top Layer "NONET_L01_P-001" (solid, remove dead copper, pour order 140): 6580,2260 6580,2010 6540,2010 6540,1820 6250,1820 6250,2020 6250,2260
GND on Top Layer "NONET_L01_P-001" (solid, remove dead copper, pour order 150): 830,3030 1220,3030 1220,1740 6580,1740 6580,3030 6970,3030 6970,1410 830,1410
GND on Top Layer "NONET_L01_P-001" (solid, remove dead copper, pour order 147): 1730,2900 3040,2900 3040,2660 1730,2660
3V3 on Top Layer "NONET_L01_P-001" (solid, remove dead copper, pour order 143): 2814.5,2820 2814.5,3280 3160,3280 3160,2820
VCC on Top Layer "NONET_L01_P-001" (solid, remove dead copper, pour order 119): 3950,2430 4170,2430 4170,2760 3950,2760
VCC on Top Layer "NONET_L01_P-001" (solid, pour order 159): 4600,2800 4600,2350 4860,2350 4860,2800
GND on Top Layer "NONET_L01_P-001" (solid, remove dead copper, pour order 133): 4760,2410 4900,2410 4900,2190 4760,2190
GND on Top Layer "NONET_L01_P-001" (solid, remove dead copper, pour order 155): 6130,2070 6240,2070 6240,1560 6130,1560
NetC3_2 on Top Layer "NONET_L01_P-001" (solid, remove dead copper, pour order 121): 4100,2300 4340,2300 4390,2250 4390,2150 4130,2150 4100,2180
NetC12_2 on Top Layer "NONET_L01_P-001" (solid, remove dead copper, pour order 153): 3060,2320 3480,2320 3480,2180 3060,2180
GND on Top Layer "NONET_L01_P-001" (solid, remove dead copper, pour order 152): 3400,2440 3670,2440 3670,2220 3400,2220
3V3 on Top Layer "NONET_L01_P-001" (solid, remove dead copper, pour order 142): 2110.72,2825.7 2389.28,2825.7 2389.28,2700.72 2390,2700 2110,2700
5V on Top Layer "NONET_L01_P-001" (solid, remove dead copper, pour order 141): 3040,2770 3040,2430 3660,2430 3660,2640 3530,2770
LT_CSP on Top Layer "NONET_L01_P-001" (solid, remove dead copper, pour order 136): 5470,2520 5590,2520 5590,2690 5470,2690
VCC on Top Layer "NONET_L01_P-001" (solid, remove dead copper, pour order 125): 3970,3460 3970,3070 3290,3070 3290,3460
NetD1_C on Top Layer "NONET_L01_P-001" (solid, remove dead copper, pour order 123): 4380,3170 4380,3030 4550,3030 4550,3170
GND on Bottom Layer "NONET_L01_P-001" (solid, pour order 164): 4880,3480 4880,1820 5870,1820 5870,3480
+HV on Bottom Layer "NONET_L01_P-001" (solid, remove dead copper, pour order 137): 888.71,1740 6921.29,1740 6737.7,1450 1072.3,1450
GND on Bottom Layer "NONET_L01_P-001" (solid, remove dead copper, pour order 154): 1800,3000 1800,2030 3270,2030 3270,3000
NetR46_3 on Bottom Layer "NONET_L01_P-001" (solid, pour order 158): 6500,2010 6500,2590 6240,2850 6240,3090 6990,3090 6990,3500 5860,3500 5860,2010
VCC on Bottom Layer "s" (solid, remove dead copper, pour order 132): 2460,3290 2460,2960 3970,2960 3970,3480 2460,3480
GND on Bottom Layer "NONET_L01_P-001" (solid, remove dead copper, pour order 131): 2450,2960 2450,3300 2450,3480 840,3480 840,3130 1630,3130 1800,2960
5V on Bottom Layer "NONET_L01_P-001" (solid, pour order 161): 3180,2770 3530,2770 3660,2640 3660,2440 3180,2440
NetF1_1 on Bottom Layer "NONET_L01_P-001" (solid, pour order 160): 4660,3200 4370,3200 4370,3420 4660,3420
VCC on Bottom Layer "NONET_L01_P-001" (solid, remove dead copper, pour order 122): 4740,2150 4740,2490 4850,2490 4850,2799.21 4330,2799.21 4330,2540 4460,2540 4460,2150
GND on Bottom Layer "NONET_L01_P-001" (solid, remove dead copper, pour order 129): 5480,1800 5480,2000 5870,2000 5870,1800
NetQ4_D on Bottom Layer "NONET_L01_P-001" (solid, remove dead copper, pour order 130): 6250,1820 6440,1820 6490,1900 6490,2000 6250,2000
GND on Bottom Layer "NONET_L01_P-001" (solid, remove dead copper, pour order 128): 4461,2150 4461,2534.5 4460,2535.5 4459.96,2535.46 4332.38,2535.46 4330,2533.07 4330,2150
NetD7_IN on Bottom Layer "NONET_L01_P-001" (solid, remove dead copper, pour order 126): 4590,2000 4590,1710 4740,1710 4740,2000
NetFB_D_1 on Bottom Layer "NONET_L01_P-001" (solid, remove dead copper, pour order 124): 5660,2181.67 5660,2890 6010,2890 6010,2181.67
VCC on Layer 2 "NONET_L01_P-001" (solid, remove dead copper, pour order 149): 830,3490 830,1420 6980,1420 6980,3490
+HV on Layer 2 "NONET_L01_P-001" (solid, remove dead copper, pour order 156): 888.71,1740 6921.29,1740 6737.7,1450 1072.3,1450
3V3 on Layer 2 "NONET_L01_P-001" (solid, remove dead copper, pour order 146): 2110,2820 2110,2700 2390,2700 2390,2820
3V3 on Layer 2 "NONET_L01_P-001" (solid, remove dead copper, pour order 145): 2910,2940 2910,2850 3150,2850 3150,2940
GND on Layer 1 "NONET_L01_P-001" (solid, remove dead copper, pour order 148): 830,3490 830,1410 6980,1410 6980,3490
GND on Layer 1 "NONET_L01_P-001" (solid, remove dead copper, pour order 157): 830,3030 1220,3030 1220,1740 6580,1740 6580,3030 6970,3030 6970,1410 830,1410

## Other copper
Top Layer:
  pour cut-out: 4010.94,1859.92 4010.94,1739.92 4270.94,1739.92 4270.94,1859.92
  pour cut-out: 3550.94,1859.92 3550.94,1739.92 3810.94,1739.92 3810.94,1859.92
Layer 1:
  pour cut-out: 4010,1860 4010,1740 4270,1740 4270,1860
  pour cut-out: 3550,1860 3550,1740 3810,1740 3810,1860
  pour cut-out: 5390,2300 5520,2300 5550,2270 5720,2270 5720,2470 5490,2470 5430,2410 5390,2410
  pour cut-out: 1220,3060 1530,3060 1530,2860 1510,2840 1270,2600 1220,2600
  pour cut-out: 6580,3060 6270,3060 6270,2860 6290,2840 6530,2600 6580,2600
  pour cut-out: 3270,1740 3270,2010 1990,2010 1990,1740
  pour cut-out: 1270,3060 1270,1850 1300,1820 4590,1820 4590,1740 1220,1740 1220,3030 690,3030 690,3060 1220,3060
  pour cut-out: 6530,3060 6530,1850 6500,1820 5870,1820 5870,1740 6580,1740 6580,3030 7110,3030 7110,3060
Layer 2:
  pour cut-out: 5390,2300 5520,2300 5550,2270 5720,2270 5720,2470 5490,2470 5430,2410 5390,2410
  pour cut-out: 4010,1860 4010,1740 4270,1740 4270,1860
  pour cut-out: 3550,1860 3550,1740 3810,1740 3810,1860
  pour cut-out: 6530,3060 6530,1850 6500,1820 3391,1820 3391,1740 7111,1740 7111,3060
  pour cut-out: 1270,3060 1270,1850 1300,1820 4409,1820 4409,1740 689,1740 689,3060
  pour cut-out: 6580,3060 6270,3060 6270,2860 6290,2840 6530,2600 6580,2600
  pour cut-out: 3270,1740 3270,2010 1990,2010 1990,1740
  pour cut-out: 1220,3060 1530,3060 1530,2860 1510,2840 1270,2600 1220,2600
Bottom Layer:
  pour cut-out: 1716.37,1745.85 ccw(c1865.73,1745.85) 1865.73,1596.49 ccw(c1865.73,1745.85) 2015.09,1745.85 ccw(c1865.73,1745.85) 1865.73,1895.21 ccw(c1865.73,1745.85)
  pour cut-out: 5784.91,1745.85 ccw(c5934.27,1745.85) 5934.27,1596.49 ccw(c5934.27,1745.85) 6083.63,1745.85 ccw(c5934.27,1745.85) 5934.27,1895.21 ccw(c5934.27,1745.85)
  pour cut-out: 4010,1860 4010,1740 4270,1740 4270,1860
  pour cut-out: 3550,1860 3550,1740 3810,1740 3810,1860
  pour cut-out: 2830,1630 2660,1630 2660,1700 2654.52,1704.52 2559.19,1704.52 2559.19,1749.19 2560,1750 2830,1750
  pour cut-out: 2180,1740 2180,1630 1967.74,1630 1950,1630 1950,1740 1970,1740
  pour cut-out: 4810,1760 4720,1760 4720,1700 4610,1700 4610,1760 4530,1760 4530,1650 4810,1650

## Silkscreen, mask and mechanical layers (free items; w line width, h text height)
Top Overlay:
  circle w6: c3320,2810 r30
  circle w6: c5900,2270 r30
  circle w6: c6217.04,2650.5 r30
  circle w6: c3840,2110 r30
  circle w6: c3550,2090 r30
  circle w20: c5490,1510 r4.72
  region: 5470,1670 5510,1670 5490,1550
  lines w8: 2020,2180 2020,2230 ; 2104.97,2039.3 2104.97,2229.3 ; 6585.83,3365.28 6585.83,3480 6825.98,3480 6825.98,3349.53 ; 1108,2297.44 1470,2297.44 1470,2472 1108,2472 1108,2297.44 ; 1870,2020 2170,2020 2170,2260 1870,2260 1870,2020 ; 3149,3189 3610,3189 3610,3411 3149,3411 3149,3189 ; 4420,1808 4695,1808 4695,2000 4420,2000 4420,1808
  lines w10: 2180,1430 2620,1430 2620,1740 2180,1740 2180,1430 ; 2830,1430 3270,1430 3270,1740 2830,1740 2830,1430
  lines w18: 5470,1670 5510,1670 5490,1550 5470,1670
  lines w25: 5310,1460 5680,1460 5490,1780 5310,1460
  text "HIGH VOLTAGE" at 1032,1492 h84
  text "HIGH VOLTAGE" at 5752,1492 h84
  text "KICK" at 2300,1460 h60
  text "CHIP" at 2950,1460 h60
Bottom Overlay:
  drawing of 25 lines, arcs and shapes, not listed
  text "Power_V3.2" at 4230,2420 h60
  text "Dannon Sturn / Simon Zheng" at 4230,2250 h42
  text "DANGER - HIGH VOLTAGE PRESENT" at 4230,2110 h42
  text "HANDLE WITH CAUTION" at 4222,2008 h42
Route Tool Path:
  lines w8: 825.13,1754.63 ccw(c829.13,1754.63) 825.74,1752.51 ; 825.13,1754.63 ccw(c829.13,1754.63) 825.74,1752.51 ; 825.13,1754.63 825.13,2069.59 ; 825.13,2069.59 cw(c829.13,2069.59) 828.42,2073.53 ; 825.13,2069.59 cw(c829.13,2069.59) 828.41,2073.53 ; 825.13,2460.98 ccw(c829.13,2460.98) 828.41,2457.05 ; 825.13,2460.98 ccw(c829.13,2460.98) 828.42,2457.04 ; 825.13,2460.98 825.13,3387.4 ; 825.13,3387.4 cw(c829.13,3387.4) 826.32,3390.24 ; 825.13,3387.4 cw(c829.13,3387.4) 826.3,3390.23 ; 825.74,1752.51 1035.98,1416.77 ; 826.32,3390.24 928.89,3492.82 ; 826.3,3390.23 826.32,3390.24 ; 828.42,2073.53 856.41,2078.67 883.08,2087.74 908.15,2100.6 931.08,2116.98 951.37,2136.52 968.6,2158.81 982.4,2183.38 992.48,2209.69 998.61,2237.19 1000.66,2265.29 998.61,2293.39 992.48,2320.89 982.4,2347.2 968.6,2371.76 951.37,2394.05 931.08,2413.6 908.15,2429.97 883.08,2442.84 856.41,2451.91 828.42,2457.04 ; 828.41,2073.53 828.42,2073.53 ; 828.41,2457.05 828.42,2457.04 ; 928.89,3492.82 cw(c931.73,3490) 931.73,3494 ; 928.89,3492.82 928.9,3492.83 cw(c931.73,3490) 931.73,3494 ; 931.73,3494 6868.27,3494 ; 1035.98,1416.77 ccw(c1039.37,1418.9) 1039.37,1414.9 ; 1035.98,1416.77 ccw(c1039.37,1418.9) 1039.37,1414.9 ; 1039.37,1414.9 6760.63,1414.9 ; 6760.63,1414.9 ccw(c6760.63,1418.9) 6764.02,1416.77 ; 6760.63,1414.9 ccw(c6760.63,1418.9) 6764.02,1416.77 ; 6764.02,1416.77 6974.26,1752.51 ; 6868.27,3494 cw(c6868.27,3490) 6871.11,3492.82 ; 6868.27,3494 cw(c6868.27,3490) 6871.1,3492.83 6871.11,3492.82 ; 6871.11,3492.82 6973.68,3390.24 ; 6971.57,2073.53 cw(c6970.87,2069.59) 6974.87,2069.59 ; 6971.57,2073.53 6971.59,2073.53 cw(c6970.87,2069.59) 6974.87,2069.59 ; 6971.57,2073.53 6943.59,2078.67 6916.91,2087.74 6891.85,2100.6 6868.92,2116.98 6848.62,2136.52 6831.39,2158.81 6817.59,2183.38 6807.52,2209.69 6801.39,2237.19 6799.33,2265.29 6801.39,2293.39 6807.52,2320.89 6817.59,2347.2 6831.39,2371.76 6848.62,2394.05 6868.92,2413.6 6891.85,2429.97 6916.91,2442.84 6943.59,2451.91 6971.57,2457.04 ; 6971.57,2457.04 ccw(c6970.87,2460.98) 6974.87,2460.98 ; 6971.57,2457.04 6971.59,2457.05 ccw(c6970.87,2460.98) 6974.87,2460.98 ; 6973.68,3390.24 cw(c6970.87,3387.4) 6974.87,3387.4 ; 6973.69,3390.23 cw(c6970.87,3387.4) 6974.87,3387.4 ; 6973.68,3390.24 6973.69,3390.23 ; 6974.26,1752.51 ccw(c6970.87,1754.63) 6974.87,1754.63 ; 6974.26,1752.51 ccw(c6970.87,1754.63) 6974.87,1754.63 ; 6974.87,1754.63 6974.87,2069.59 ; 6974.87,2460.98 6974.87,3387.4
  lines w39.37: 5350,3200 5350,3350 ; 5675,3200 5675,3350
Mechanical 16:
  lines w10: 2960.12,4400 4839.88,4400 4839.88,5728.58 2960.12,5728.58 2960.12,4400 ; 3386.38,3500 4400,3500 4400,4395.51 3386.38,4395.51 3386.38,3500
  text "BATTERY POSITION" at 3000,5600 h36
  text "GENEVA MOTOR  / POSITION" at 3500,4100 h36

## Dimensions
1765.73,3345.85 to 1195.85,2931.67 on Mechanical 16
6034.27,3345.85 to 5934.27,1745.85 on Mechanical 16
1765.73,3345.85 to 1865.73,1745.85 on Mechanical 16
3900,2670 to 1765.73,3345.85 on Mechanical 16
1765.73,3345.85 to 3900,2670 on Mechanical 16
1195.85,2931.67 to 1765.73,3345.85 on Mechanical 16
1765.73,3345.85 to 6034.27,3345.85 on Mechanical 16